# KiCad board robot-hub_rev4.kicad_pcb (continued)
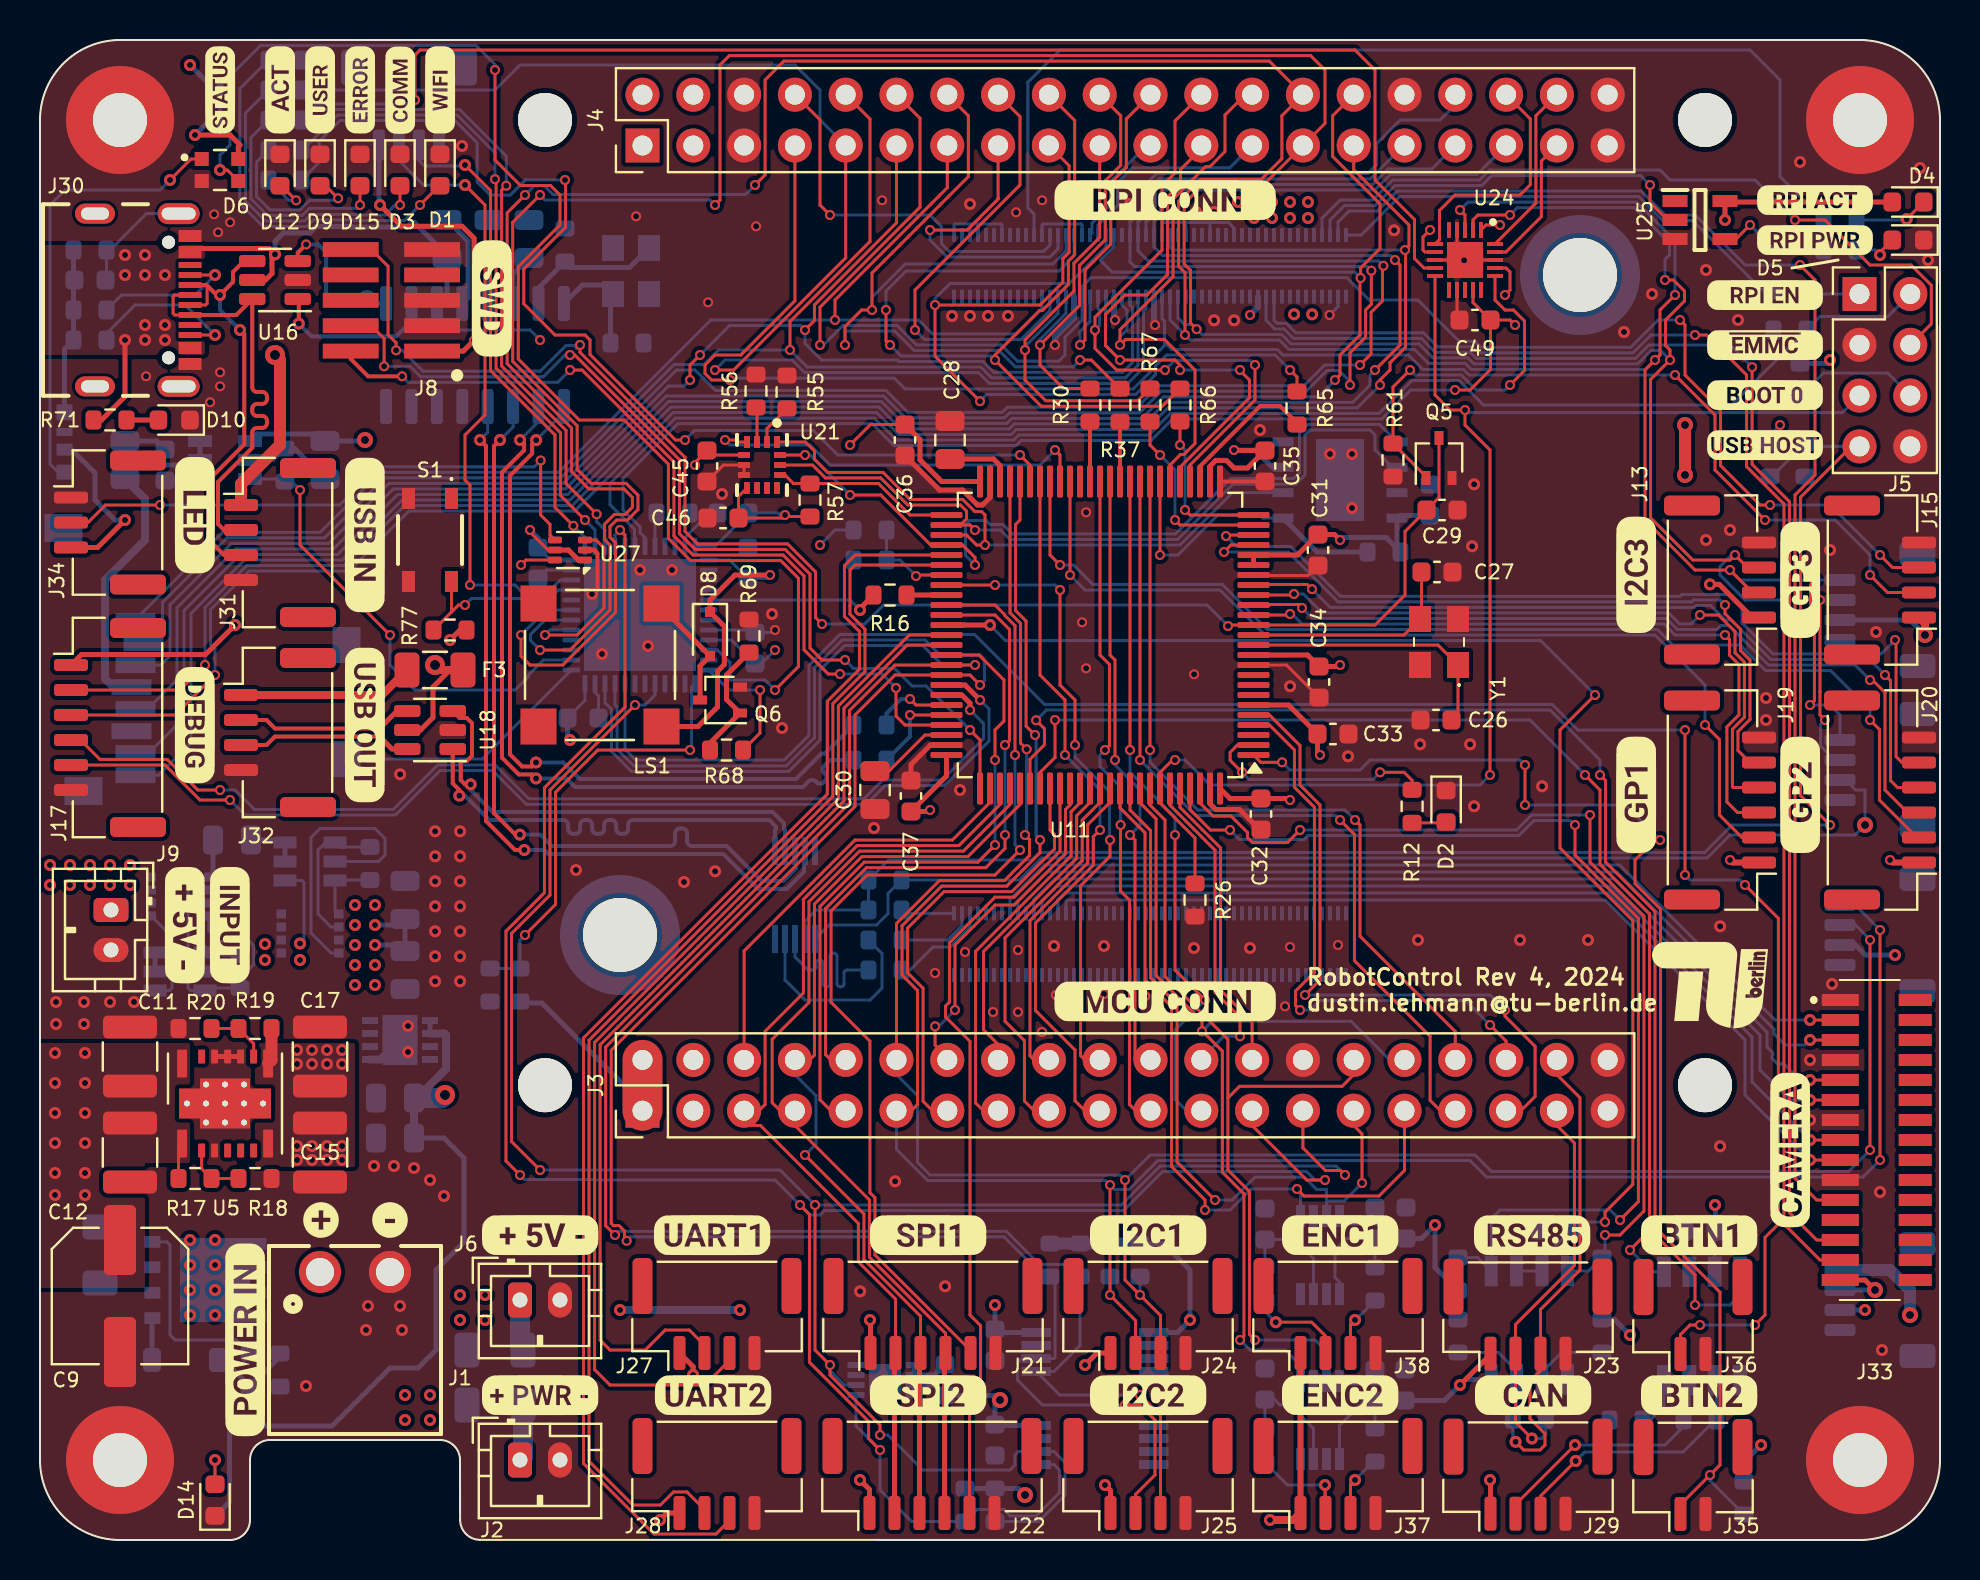
[diagram p0: board, top side]
## Routing (per net, layer and track width the routed paths; a pad name or vN(x,y) marks a point on that pad's centre or on a via; arc(x,y) is an arc through that point) (continued)
USB_EXT_OUT_N: length 8.7
  Top w0.2: 17,40.17 11.75,40.17 11.33,39.75 J32.3
  Top w0.25: 17,40.15 17.6,39.55 U18.6
USB_EXT_OUT_P: length 8.3
  Top w0.2: 17,40.58 11.75,40.58 11.33,41 J32.2
  Top w0.25: 17.85,41.45 17,40.6
USB_EXT_P: length 23.1
  Top w0.2: v1(21.53,37.78) 21.25,37.78 21.04,38 21.04,38.95 21.34,38.95 21.6,39.21 21.6,40.84 21.34,41.1 20.99,41.1 U18.3
  Bottom w0.2: v1(21.53,37.78) 21.53,37.5 22.63,36.4 36.63,36.4 37.2,35.83 37.2,35.55 37.25,35.5 U19.7
USB_IN1_N: length 21.9
  Top w0.15: J30.B7 8.28,62.75 8.35,62.67 8.35,61.83 8.28,61.75 J30.A7
  Top w0.2: v1(10,60.5) 10.21,60.29 10.21,54.78 8.5,53.07 8.5,49.95 9.2,49.25 J31.3 ; J30.B7 8.33,62.75 8.83,62.25 v1(9,62.25) 9.65,62.9 9.65,63.4 10.2,63.95
  Bottom w0.2: v1(9,62.25) 9,61.5 v1(10,60.5)
USB_IN1_P: length 21.4
  Top w0.15: J30.A6 6.73,62.25 6.66,62.17 6.66,61.33 6.73,61.25 J30.B6
  Top w0.2: J30.B6 9.81,61.25 U16.6 10.61,57.64 arc(10.68,57.47) 10.85,57.4 11.11,57.4 arc(11.28,57.33) 11.35,57.16 11.35,57.04 arc(11.28,56.87) 11.11,56.8 10.85,56.8 arc(10.68,56.73) 10.61,56.56 10.61,56.44 arc(10.68,56.27) 10.85,56.2 11.11,56.2 arc(11.28,56.13) 11.35,55.96 11.35,55.84 arc(11.28,55.67) 11.11,55.6 10.85,55.6 arc(10.68,55.53) 10.61,55.36 10.61,54.61 8.9,52.9 8.9,50.8 9.2,50.5 J31.2
USB_N: length 8.3
  Top w0.2: v2(13.3,64.78) 12.89,64.36 U16.3
  Bottom w0.2: U15.9 16.89,61.83 arc(16.72,61.9) 16.65,62.06 16.65,62.14 arc(16.58,62.31) 16.41,62.38 16.29,62.38 arc(16.12,62.31) 16.05,62.14 16.05,62.06 arc(15.98,61.9) 15.81,61.83 14.56,61.83 14.3,62.09 14.3,64.39 13.91,64.78 v2(13.3,64.78)
USB_P: length 8.3
  Top w0.2: v1(12.94,60.82) 12.94,62
  Bottom w0.2: U15.10 18.57,60.95 17.81,60.19 13.58,60.19 v1(12.94,60.82)
USB_SHIELD: length 5.6
  Bottom w0.15: 3.5,64.5 5.32,66.32 6.93,66.32 ; R50.1 3.32,63.05
USER_BTN_EXT: length 62.8
  Top w0.15: v2(74.25,36.75) v2(74.25,38.75) ; v2(81,35) 80.75,35 79.75,34 79.75,32.82 81.03,31.54 81.03,15.36 84,12.39 84,3.75 v2(83.5,3.25) 82.03,1.78 ; U11.1 61.04,38.89 v2(62.1,38.89)
  Bottom w0.15: v2(62.1,38.89) 62.49,38.5 66,38.5 66.5,39 74,39 v2(74.25,38.75) ; R76.2 83.5,2.98 v2(83.5,3.25) ; v2(74.25,36.75) 79.25,36.75 v2(81,35)
USER_BTN_EXT2: length 101.7
  Top w0.15: v2(85.75,10.75) 86.25,11.25 86.25,15.13 86.92,15.8 86.92,31.08 v2(85.25,32.75) ; v2(82.25,40.5) v2(82.25,33.25) ; J36.1 82.03,10.28 82.5,10.75 v2(83,10.75)
  Bottom w0.15: v2(85.25,32.75) 85,33 82.5,33 v2(82.25,33.25) ; v2(83,10.75) v2(85.75,10.75) ; U1.20 29.25,39.53 29.78,39 37.22,39 38.45,40.23 38.45,43.73 39.99,45.28 46.72,45.28 50.22,41.78 75.61,41.78 76.89,40.5 v2(82.25,40.5)
USER_BTN_OB: length 9.2
  Top w0.15: 20.57,46.4 S1.2 ; 20.57,46.4 20.92,46.75 v2(21.25,46.75) ; 20.57,46.4 R77.2
  Bottom w0.15: v2(21.25,46.75) 21.57,47.07 25.48,47.07 25.91,47.5 U1.33
V_PWR: length 62.5
  Top w0.15: R17.1 6.92,19.64 U5.1
  Top w2: J3.2 J3.1
  POWER w1.5: 21,6.5 26.75,6.5 31.5,11.25 31.5,14.41 30.25,15.66 30.25,21.34 J3.1 ; 18.75,6.5 v1(19.5,7.25) 19.5,15.75 18.25,17 4,17
  Bottom w0.25: 30.12,20.73 30.12,21.81 25.09,26.85 24,26.85
  vias: v1(0.75,24.35) v1(0.75,22.85) v1(0.75,21.35) v1(0.75,19.85) v1(0.75,18.35) v1(0.75,17.25) v1(2.25,24.35) v1(2.25,22.85) v1(2.25,21.35) v1(2.25,19.85) v1(2.25,18.35) v1(2.25,17.25) v1(18.25,7.25) v1(18.25,6) v1(19.5,6)
Net-(D1-A): length 19.1
  Top w0.15: 19.96,67.71 v2(19,66.75)
  Bottom w0.15: R3.2 9.99,72.57 9.99,66.83 11.15,65.68 13.35,65.68 13.67,66.01 15.68,66.01 15.72,65.97 18.22,65.97 v2(19,66.75)
Net-(D2-A): length 1.7
  Top w0.15: R12.2 70.27,35.86
Net-(D3-A): length 15.5
  Top w0.15: D3.2 v2(18,66.75)
  Bottom w0.15: R58.2 10.27,71.34 10.27,66.95 11.26,65.96 13.23,65.96 13.56,66.28 15.79,66.28 15.83,66.25 17.25,66.25 17.75,66.75 v2(18,66.75)
Net-(D4-K): length 3.7
  Top w0.15: v1(93.33,66.05) 93.33,66.05 D4.1
  Bottom w0.15: v1(93.33,66.05) 93.28,66 R62.1
Net-(D5-A): length 2.3
  Top w0.15: D5.2 92,64.39 v1(92,64.25)
  Bottom w0.15: R63.1 91.75,64.5 v1(92,64.25)
Net-(D6-DI): length 3.8
  Top w0.15: D6.3 9.36,68.5 v1(9,68.5)
  Bottom w0.15: v1(9,68.5) 9,69.25 9.5,69.75 U26.4
Net-(D8-A): length 5.8
  Top w0.25: 31.07,46.62 D8.2 33,43.7 Q6.3
Net-(D9-A): length 8.1
  Top w0.15: 14.28,67.71 v2(14.91,67.09)
  Bottom w0.15: v2(14.91,67.09) 14.8,66.98 13.48,66.98 13,66.51 11.49,66.51 10.82,67.18 10.82,68.9 R70.2
Net-(D10-A): length 1.6
  Top w0.25: D10.2 R71.2
Net-(D11-DIN): length 22.1
  Top w0.15: D6.1 7.55,69.05 v1(6.5,68)
  Bottom w0.15: v1(6.5,68) 6,67.5 1.25,67.5 0.5,66.75 0.5,53.8 0.9,53.39
Net-(D12-A): length 2.8
  Top w0.15: 12.08,67.71 v2(12.8,66.98)
  Bottom w0.15: R72.2 12.44,66.98 v2(12.8,66.98)
Net-(D14-A): length 2.4
  Top w0.15: v1(8.75,4) D14.2
  Bottom w0.15: R74.2 v1(8.75,4)
Net-(D15-A): length 11.3
  Top w0.15: D15.2 v2(16,66.75)
  Bottom w0.15: R75.2 10.55,70.12 10.55,67.06 11.38,66.23 13.12,66.23 13.47,66.59 15.83,66.59 v2(16,66.75)
Net-(D16-A): length 4
  Bottom w0.25: 9.17,9 R1.2 12,9.17
Net-(D16-K): length 2.1
  Bottom w0.25: D16.1 5.6,11.08
Net-(J2-Pin_1): length 2.8
  Bottom w1: F4.2 24.15,4.15 J2.1
Net-(J5-Pin_6): length 6.5
  Bottom w0.15: R47.2 89.17,58.34 92.39,58.34 J5.6
Net-(J6-Pin_1): length 2.6
  Bottom w1: J6.1 24,9.65 F2.2
Net-(J32-Pin_1): length 8.8
  Top w0.4: F3.2 17.1,42.25 J32.1
Net-(J34-Pin_2): length 29
  Top w0.15: v2(25.03,53.97) 25.03,51.25 25.5,50.78 25.5,50.25 U27.4 ; J34.2 2.4,50.88 3.27,51.75 v2(6,51.75)
  Bottom w0.15: v2(6,51.75) 14.98,51.75 16.9,53.66 24.72,53.66 v2(25.03,53.97)
Net-(J37-Pin_2): length 4.9
  Top w0.15: v1(64.25,2.75) 64.25,2.22 64.28,2.2 J37.2
  Bottom w0.15: v1(64.25,2.75) 62.38,2.75 R84.2
Net-(J37-Pin_3): length 3.1
  Top w0.15: v1(65.75,3) 65.53,2.78 J37.3
  Bottom w0.15: 66.67,3.92 v1(65.75,3)
Net-(J38-Pin_2): length 4.9
  Top w0.15: v1(61.79,10.89) 63.58,10.89 64.28,10.2 J38.2
  Bottom w0.15: v1(61.79,10.89) 61.25,11.43 R85.2
Net-(J38-Pin_3): length 3.1
  Top w0.15: J38.3 65.53,10.78 v1(65.75,11)
  Bottom w0.15: R83.2 65.78,11 v1(65.75,11)
Net-(Module1A-Global_EN): length 24.1
  Bottom w0.15: R64.1 86.11,62.5 82.64,65.97 81.14,65.97 79.94,67.17 67.98,67.17 66.06,65.25 Module1.99
Net-(Module1A-PI_nLED_Activity): length 54.6
  Bottom w0.15: R62.2 87,68.18 87,73 85.5,74.5 51,74.5 49.39,72.89 49.39,66.61 49.7,66.3 Module1.21
Net-(Module1B-USB2_N): length 3.9
  Bottom w0.15: Module1.103 46.1,30.73 45.37,30 R59.1
Net-(Module1B-USB2_P): length 5
  Bottom w0.15: R60.1 43.5,28.5 44.65,29.65 45.51,29.65 46.5,30.64 Module1.105
Net-(Module1B-USB_OTG_ID): length 2.5
  Bottom w0.15: Module1.101 43.25,31.33
Net-(Q1-G): length 9.8
  Bottom w0.15: R1.1 9.82,10 6.75,10 6.5,10.25 6.5,14.75 6.34,14.91 Q1.4
Net-(Q2-G1): length 5.3
  Bottom w0.15: R5.2 8.38,29.25 ; Q2.2 8.05,32.5 7.93,32.38 7.93,30 8.25,29.67 U2.4
Net-(Q2-G2): length 6.8
  Bottom w0.15: Q2.4 8.44,30.49 9,29.92 10.48,29.92 10.68,29.73 10.68,28.77 10.33,28.42 U2.5
Net-(Q3-G1): length 6.6
  Bottom w0.15: R6.2 14.97,34.65 ; Q3.2 14.55,30.65 13.9,31.3 13.9,34.5 14.27,34.88
Net-(Q3-G2): length 14.1
  Bottom w0.15: Q3.4 14.55,29.35 13.55,30.35 13.55,35.12 14,35.58 16.75,35.58 17.25,35.08 17.25,34.25 16.93,33.92 U3.5
Net-(Q6-B): length 5.9
  Top w0.25: 33.5,39.85 Q6.1 34.32,42.03 34.32,43.25 R69.1
Net-(U1-PH0): length 8.8
  Top w0.25: v1(41,46.5) 41,46.58 R16.2
  Bottom w0.15: U1.5 40.5,47 v1(41,46.5)
Net-(U1-PH3): length 1.6
  Bottom w0.15: U1.44 30.75,51.28
Net-(U5-EN): length 3
  Top w0.15: U5.2 8.08,18.57 R17.2 R18.1
Net-(U5-FB): length 3.1
  Top w0.15: R20.1 R19.2 10.68,24.82 U5.9
Net-(U9-CT): length 1.7
  Bottom w0.25: U9.4 6.32,53.05
Net-(U11-PB2): length 3
  Top w0.2: R37.2 U11.36
Net-(U11-PE9): length 3
  Top w0.2: U11.39 R30.1
Net-(U11-PH0): length 13.1
  Top w0.15: 70.9,41.33 70.9,43.75 69.9,44.75 U11.12
Net-(U11-PH1): length 10.9
  Top w0.15: U11.13 68.2,45.25 69,46.05 ; C27.1 69.07,46.12
Net-(U11-VCAP1): length 3.4
  Top w0.25: U11.48 48,53.72 47.67,54.05 C28.2
Net-(U11-VCAP2): length 4.3
  Top w0.15: U11.73 44.25,40.25 42.45,38.45 C30.2
Net-(U15-VDD18): length 2.6
  Bottom w0.25: 24.45,64.1 23.66,63.31 U15.14
Net-(U15-VDD33): length 2.2
  Bottom w0.25: U15.13 22.38,64.03
Net-(U15-XIN): length 5.3
  Bottom w0.25: Y2.1 28.2,62.75 27.12,62.75 U15.16 ; R52.2 28.53,62.17
Net-(U15-XOUT): length 7.4
  Bottom w0.25: U15.15 24.92,62.6 R51.1 26.55,63.62 29.47,63.62 Y2.3
Net-(U21-GND_1): length 2.1
  Top w0.15: U21.2 36.35,55.58 R55.1
Net-(U21-GND_2): length 1.7
  Top w0.15: U21.3 35.85,56.58
Net-(U24-I/O[2]): length 67.9
  Top w0.15: v2(18.75,72) 18.75,74.25 19,74.5 65.75,74.5 66.75,73.5 66.75,68 68.72,66.03 68.72,64.08 69.2,63.6 69.75,63.6
  Bottom w0.15: 13.35,72.22 13.77,71.8 18.55,71.8 v2(18.75,72)
Net-(U25-OUT~{Y}): length 5.2
  Top w0.15: 84.8,65.05 v2(85.5,65.75)
  Bottom w0.15: R63.2 86.75,64.5 v2(85.5,65.75)
Net-(U28-1A): length 5.4
  Bottom w0.15: R82.1 C53.1 66.22,6.98 64.97,5.73 U28.1
Net-(U28-2A): length 6.1
  Bottom w0.15: U28.3 63.67,5.58 62.5,6.75 62,6.75 61.72,7.03 C55.1 R84.1
Net-(U29-1A): length 6
  Bottom w0.15: U29.1 64.97,12.9 64.75,13.12 64.75,14.5 65.32,15.08 C54.1 R83.1
Net-(U29-2A): length 6
  Bottom w0.15: U29.3 63.67,14.08 62.72,15.03 C56.1 R85.1
Net-(U30-Rs): length 2.7
  Bottom w0.15: R80.1 80.5,6 81.19,6.7 U30.8

## Copper pours and planes (outline as drawn; the poured copper is in the pictures)
3V3_CM4 on Bottom: 64,62.59 64,60.69 61.81,60.69 61.81,62.59
5V_EXT on Bottom: 8,33.92 8,30.42 13.5,30.42 13.5,33.92
5V_IN on Bottom: 1,30.17 6,30.17 6,32.17 1,32.17
5V_REG on Top, Bottom, POWER: 10.75,24.85 15.75,24.85 15.75,18.65 10.75,18.65
5V_REG on Bottom, POWER: 13.5,30.25 13.5,28.5 15.75,26.25 15.75,23.25 10.75,23.25 10.75,30.25
5V_USB on Top, POWER: 8.25,64.75 0,64.75 0,59.25 8.25,59.25
5V_USB on Bottom, POWER: 6,32.17 0,32.17 0,34.67 6,34.67
5V_USB on POWER: 0,34 0,59.25 6,59.25 6,55.5 3.75,53.25 3.75,34
+5V on Bottom: 17,25 17,26.75 17.25,27 15.75,27 15.75,25
+5V on Bottom, POWER: 14.5,32.5 14.5,28.25 15.75,27 17.25,27 17.25,32.5
+5V on Bottom, POWER: 20.5,8.25 22.75,8.25 22.75,13 20.5,13
+5V on Bottom, POWER: 64,64.75 59.3,64.75 59.3,67.25 64,67.25
GND on Top, Bottom, GND: -5,80 100,80 100,-5 -5,-5
GND on Bottom: 45.5,62.5 49.75,62.5 49.75,61 45.5,61
POWER_IN on Bottom, POWER: 15.5,15.5 15.5,10.5 6.75,10.5 6.75,15.5
V_PWR on Top, Bottom, POWER: 7.5,24.85 0,24.85 0,12.6 5.25,12.6 5.25,18.85 7.5,18.85
V_PWR on Bottom, POWER: 22.25,7.75 22.25,5.5 17.75,5.5 17.75,7.75
Net-(D16-K) on Bottom, POWER: 6.25,10.25 0,10.25 0,14.25 6.25,14.25

## Text on the board
B.Silkscreen: JLCJLCJLCJLC
F.Silkscreen: RobotControl Rev 4, 2024 / dustin.lehmann@tu-berlin.de
